# Allegro board RK_NVR_DEMO1_RK3588_LP4XD200P232SD8_V21_20211228_final_lint.brd (continued)
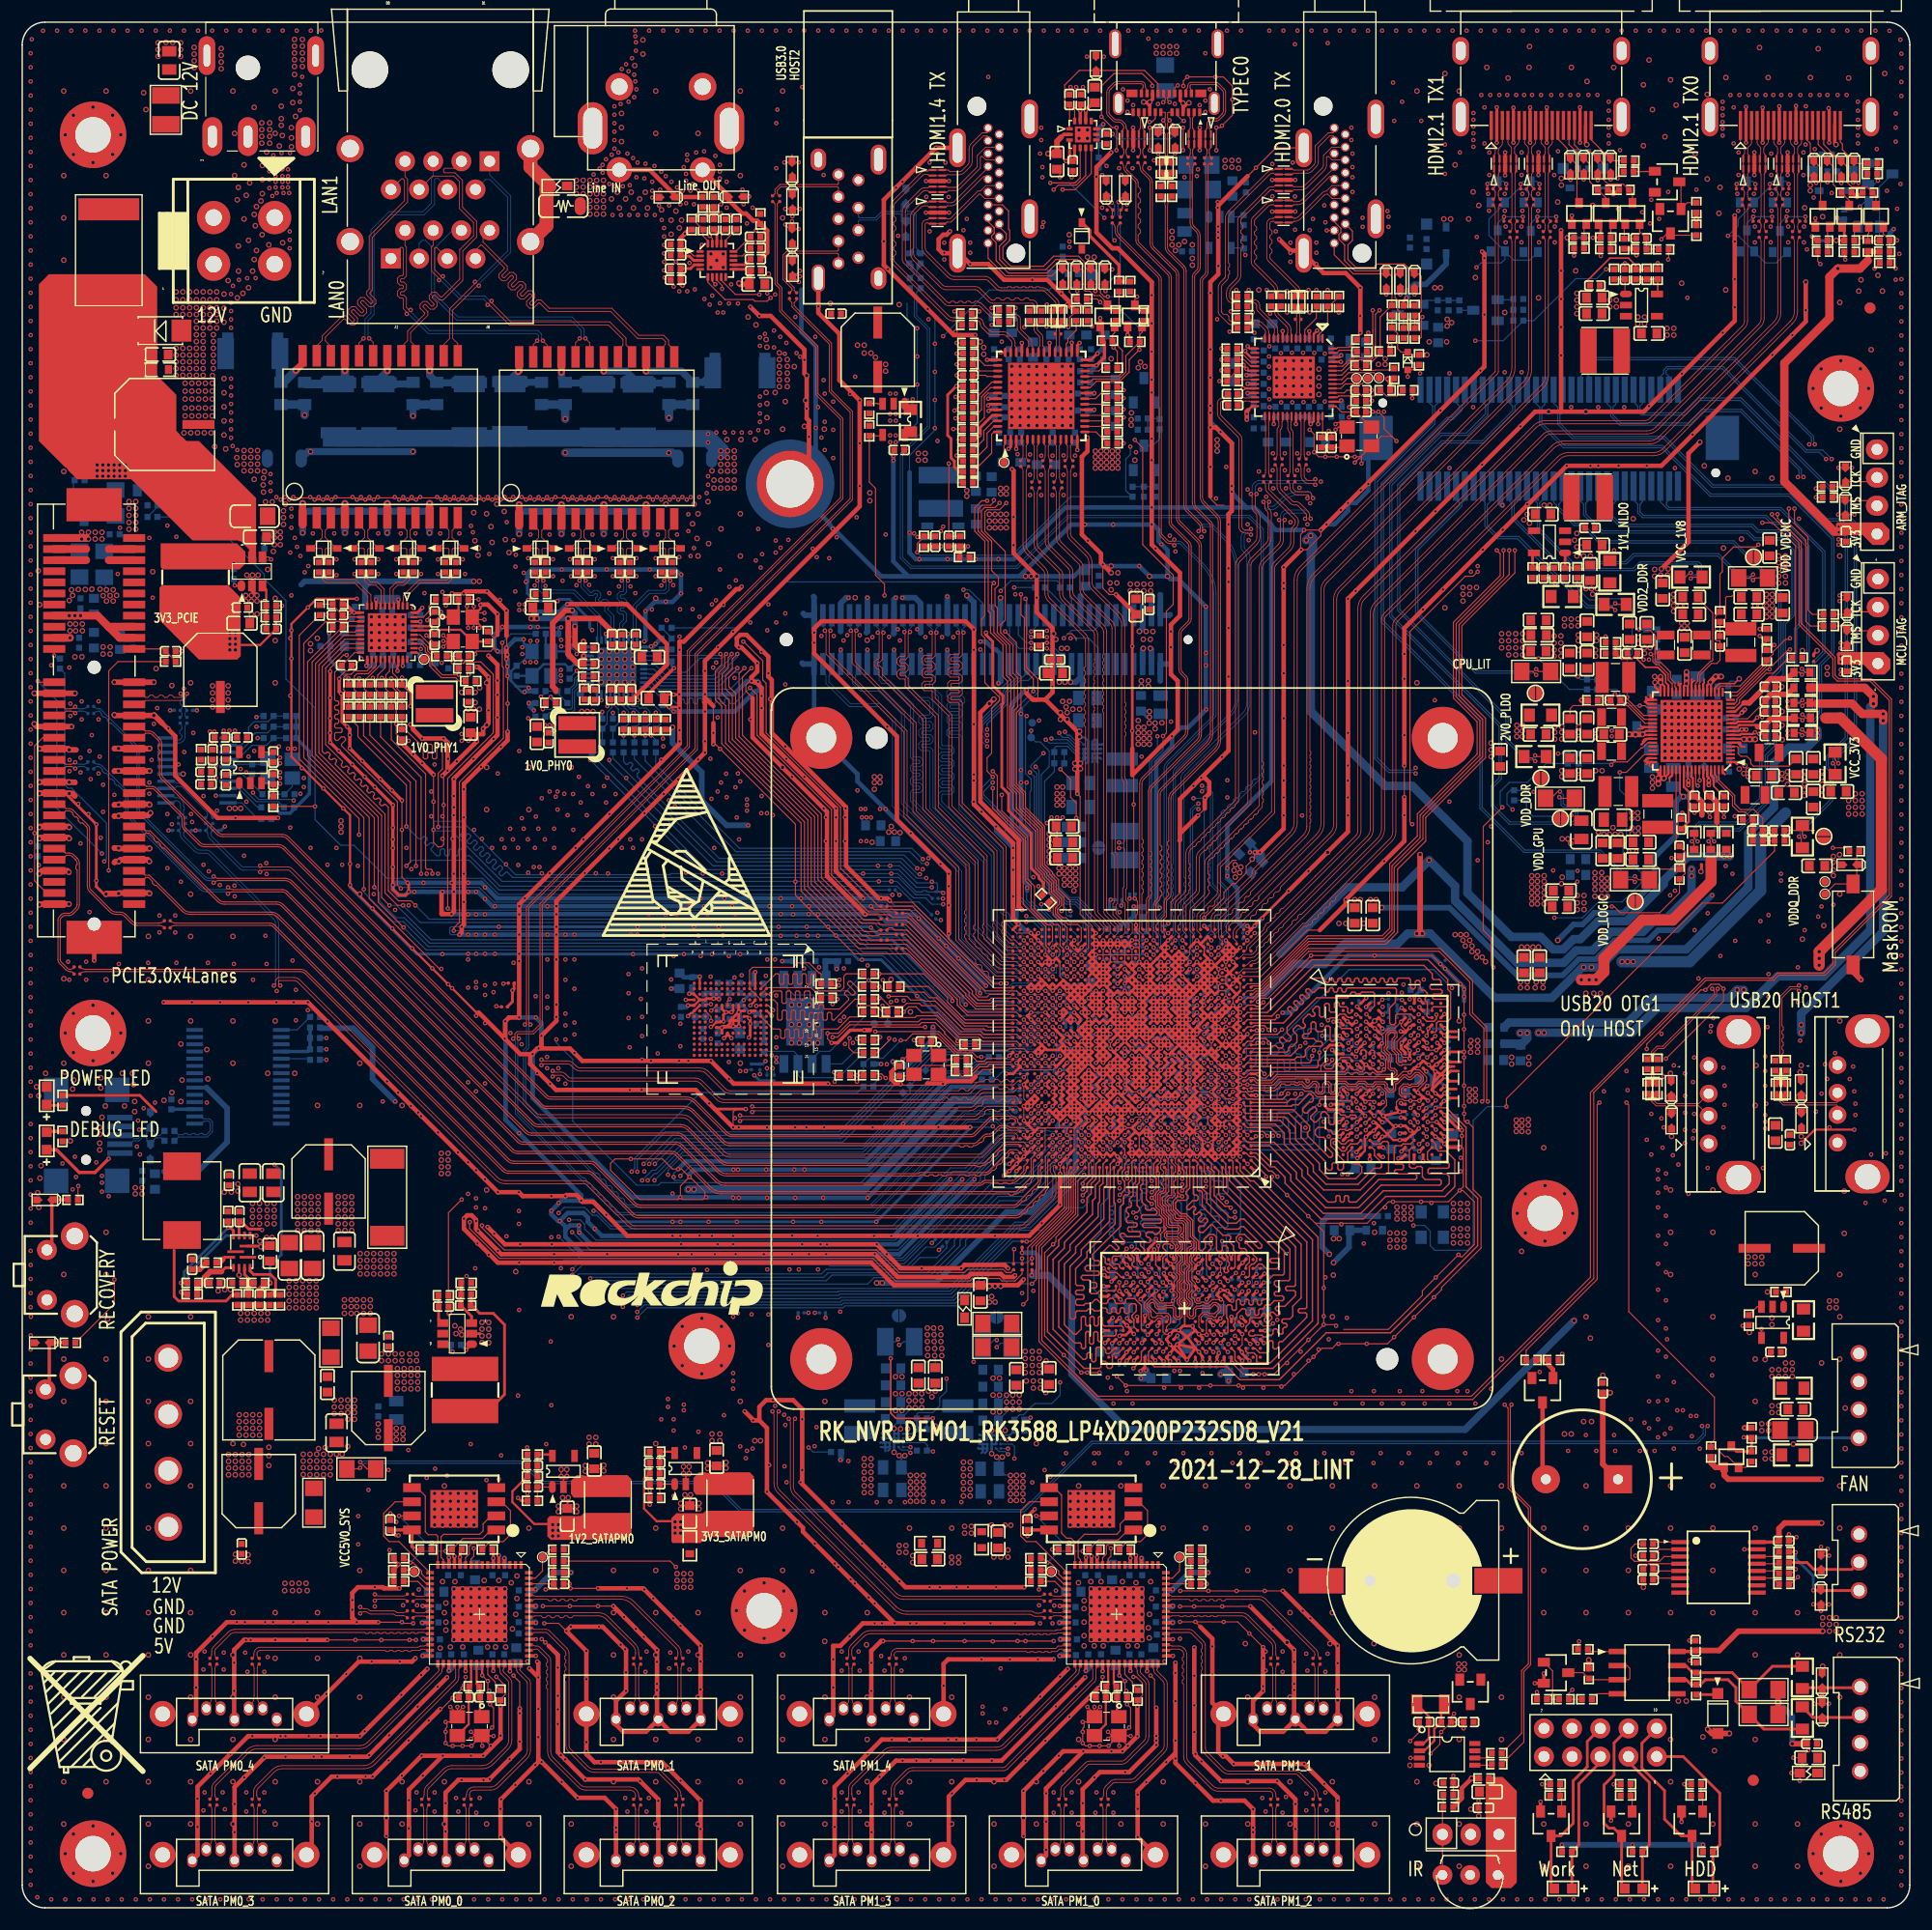
[diagram p0: board, top side]
## Routing (per net, layer and track width the routed paths; a pad name or vN(x,y) marks a point on that pad's centre or on a via; arc(x,y) is an arc through that point) (continued)
  L6-S2 w0.089: v1(94.15,84.61) 94.09,84.61 93.46,85.25 93.46,86.76 93.45,86.77 93.45,87.72
  L6-S2 w0.102: 93.45,87.72 84.88,96.28 77.77,96.28 77.13,96.93 69.93,96.93 67.54,94.53 21,94.53 20.29,93.82 18.26,93.82 17.55,94.53 12.27,94.53 11.25,93.51 v1(7.8,93.51)
PCIE30X4_PRSNT_3V3_L: length 17.8
  TOP w0.102: J8400.B17 1.85,105.48 1.11,104.74 v1(1.11,96.87) 1.11,92.58 2.21,91.48 J8400.B31
  BOTTOM w0.102: R8403.2 1.11,95.97 v1(1.11,96.87)
PCIE30X4_PRSNT_L_GPIO3_C7: length 105.9
  TOP w0.102: U1000.AJ24 v1(95.45,84.61)
  L6-S2 w0.089: v1(95.45,84.61) 95.23,84.61 95.11,84.74 94.91,84.94 94.6,84.94 94.47,85.07 94.47,85.49 94.37,85.59 94.03,85.59 93.84,85.78 93.84,88.12 94.14,88.42 94.14,88.96
  L6-S2 w0.102: 94.14,88.96 94.05,89.04 94.05,89.96 93.65,90.37 92.33,90.37 91.92,89.96 91.72,89.96 85.19,96.49 77.98,96.49 77.19,97.27 69.77,97.27 67.31,94.81 20.88,94.81 20.19,94.12 18.34,94.12 17.65,94.81 8.48,94.81 7.59,93.92 1.57,93.92 v1(1.5,94)
  BOTTOM w0.102: R8403.1 1.39,94.1 v1(1.5,94)
PCIE30X4_PWREN_H_GPIO3_D5: length 117.5
  TOP w0.089: U1000.AB28 93.17,80.39
  TOP w0.102: v1(26.39,99.29) R8427.1 ; 93.17,80.39 v1(92.85,80.71)
  L6-S2 w0.089: v1(92.85,80.71) 92.52,80.39 90.11,80.39 90.11,80.38 89.96,80.38 89.84,80.26 88.47,80.26
  L6-S2 w0.102: 88.47,80.26 83.84,80.26 82.35,81.75 82.35,83.53 78.53,87.34 78.53,91.18 v1(78.41,91.31)
  BOTTOM w0.102: v1(78.41,91.31) 78.36,91.35 42.93,91.35 41.48,92.8 32.87,92.8 29.88,95.79 28.68,95.79 26.39,98.09 v1(26.39,99.29) 26.39,108.15 23.77,110.77 23.77,117.84 21.81,119.8 21.81,120.22 20.86,121.17 R8429.1 20.57,121.45 16.65,125.38 R8434.1
PCIE30X4_REFCLKN_CON: length 7.6
  TOP w0.076: J8400.A14 10.77,108.48 11.12,108.83 14.32,108.83 arc(14.61,108.95) 14.73,109.25 14.73,109.33 v1(14.85,109.45)
  BOTTOM w0.076: R8405.2 14.72,107.42 arc(14.68,107.47) 14.67,107.54 14.67,107.64 arc(14.69,107.76) 14.77,107.87 R8406.1 arc(14.74,108.09) 14.7,108.28 14.7,109.09 arc(14.74,109.29) v1(14.85,109.45)
PCIE30X4_REFCLKP_CON: length 7.9
  TOP w0.076: J8400.A13 10.73,109.48 11.1,109.11 11.33,109.11 11.53,109.31 11.76,109.31 11.96,109.11 12.19,109.11 12.39,109.31 12.62,109.31 12.82,109.11 13.05,109.11 13.26,109.31 13.49,109.31 13.69,109.11 14.32,109.11 arc(14.41,109.15) 14.45,109.25 14.45,109.27 v1(14.28,109.45)
  BOTTOM w0.076: R8404.2 14.34,107.42 arc(14.38,107.47) 14.39,107.54 14.39,107.64 arc(14.37,107.76) 14.29,107.87 R8407.1 14.28,108 arc(14.38,108.16) 14.42,108.35 14.22,108.55 14.22,108.78 14.42,108.98 14.42,109.11 arc(14.39,109.29) v1(14.28,109.45)
PCIE30X4_WAKEN_3V3_L: length 1.2
  TOP w0.102: v1(2.88,112.88) 2.88,113.47 J8400.B11
  BOTTOM w0.102: v1(2.88,112.88) 3.15,112.61 R8401.2
PCIE30X4_WAKEN_M1_L: length 115.7
  TOP w0.102: U1000.AJ26 v1(94.15,85.26)
  L6-S2 w0.102: v1(7.39,94.33) 8.14,95.08 17.96,95.08 18.61,94.43 20.08,94.43 20.73,95.08 67.15,95.08 69.65,97.58 77.39,97.58 77.7,97.88 84.4,97.88 90.09,92.19 90.09,91.89 91.51,90.47 v1(91.82,90.47)
  BOTTOM w0.089: 93.02,88.96 93.34,88.64 93.34,87.55 93.77,87.11 93.77,85.64 v1(94.15,85.26)
  BOTTOM w0.102: R8401.1 3.83,111.28 3.83,101.24 4.14,100.93 4.44,100.93 7.59,97.78 7.59,94.53 v1(7.39,94.33) ; 93.02,88.96 91.82,90.16 v1(91.82,90.47)
PHY0_CLKOUT125: length 3.2
  BOTTOM w0.102: R6714.2 49.76,110.3 49.76,110.79 50.62,111.65 U6701.35
PHY0_LED0/CFG_EXT: length 1.8
  TOP w0.102: R6716.1 50.59,110.99 v1(50.59,110.45) 50.64,110.41 R6717.2
  BOTTOM w0.102: U6701.32 v1(50.59,110.45)
PHY0_LED1/CFG_LDO0: length 6.8
  BOTTOM w0.102: U6701.33 50.44,110.85 50.16,110.58 50.16,110.05 49.76,109.65 49.76,107.97 49.53,107.74 47.49,107.74 R6720.1
PHY0_LED2/CFG_LDO1: length 8.2
  TOP w0.102: R6719.2 47.17,108.32 46.91,108.06 v1(46.91,108.05)
  BOTTOM w0.102: R6718.1 47.15,108.29 v1(46.91,108.05) 49.44,108.05 49.56,108.18 49.56,109.8 49.96,110.2 49.96,110.68 50.54,111.25 U6701.34
PHY0_MDI0+: length 10.2
  TOP w0.076: R6700.1 46.53,120.08 46.53,119.77 v1(46.41,119.64)
  BOTTOM w0.076: U6701.1 51.79,114.59 51.84,114.64 51.84,116.32 49.65,118.51 46.82,118.51 46.53,118.8 46.53,119.52 v1(46.41,119.64)
PHY0_MDI0-: length 10.3
  TOP w0.076: v1(46.96,119.64) 46.81,119.79 46.81,120.06 R6701.1
  BOTTOM w0.076: U6701.2 52.19,114.59 52.12,114.67 52.12,116.44 49.77,118.79 46.94,118.79 46.81,118.91 46.81,119.49 v1(46.96,119.64)
PHY0_MDI1+: length 9.1
  TOP w0.076: R6703.1 50.34,120.08 50.34,119.77 v1(50.22,119.64)
  BOTTOM w0.076: U6701.4 53.04,114.3 53.04,116.35 52.48,116.91 52.48,117.25 52.67,117.43 52.67,117.54 52.56,117.65 52.45,117.65 52.27,117.47 51.93,117.47 51.66,117.74 51.66,118.08 51.84,118.26 51.84,118.37 51.73,118.48 51.62,118.48 51.44,118.29 51.1,118.29 50.34,119.05 50.34,119.52 v1(50.22,119.64)
PHY0_MDI1-: length 9.1
  TOP w0.076: R6704.1 50.62,120.06 50.62,119.79 v1(50.77,119.64)
  BOTTOM w0.076: U6701.5 53.32,114.33 53.32,116.47 52.76,117.03 52.76,117.13 52.95,117.32 52.95,117.66 52.67,117.93 52.33,117.93 52.15,117.74 52.04,117.74 51.94,117.85 51.94,117.96 52.12,118.14 52.12,118.48 51.85,118.75 51.51,118.75 51.32,118.57 51.22,118.57 50.62,119.17 50.62,119.49 v1(50.77,119.64)
PHY0_MDI2+: length 8
  TOP w0.076: v1(54.03,119.64) 54.15,119.77 54.15,120.08 R6705.1
  BOTTOM w0.076: v1(54.03,119.64) 54.18,119.49 54.18,118.72 54.1,118.64 53.86,118.64 53.62,118.4 53.62,118.02 53.86,117.78 54.1,117.78 54.18,117.7 54.18,117.55 54.1,117.47 53.86,117.47 53.62,117.23 53.62,116.85 53.86,116.61 54.1,116.61 54.18,116.53 54.18,116.11 53.84,115.77 53.84,114.3 U6701.6
PHY0_MDI2-: length 8
  TOP w0.076: v1(54.58,119.64) 54.43,119.79 54.43,120.06 R6706.1
  BOTTOM w0.076: U6701.7 54.12,114.33 54.12,115.66 54.46,115.99 54.46,116.65 54.22,116.89 53.97,116.89 53.9,116.97 53.9,117.12 53.97,117.19 54.22,117.19 54.46,117.43 54.46,117.82 54.22,118.06 53.97,118.06 53.9,118.13 53.9,118.29 53.97,118.36 54.22,118.36 54.46,118.6 54.46,119.52 v1(54.58,119.64)
PHY0_MDI3+: length 8.5
  TOP w0.076: v1(57.84,119.64) 57.96,119.76 57.96,120.09 R6707.1
  BOTTOM w0.076: U6701.9 55.04,114.3 55.04,117.38 56.42,118.76 57.84,118.76 58.01,118.93 58.01,119.46 v1(57.84,119.64)
PHY0_MDI3-: length 8.5
  TOP w0.076: v1(58.39,119.64) 58.24,119.79 58.24,120.06 R6708.1
  BOTTOM w0.076: U6701.10 55.32,114.33 55.32,117.26 56.54,118.48 57.96,118.48 58.29,118.81 58.29,119.54 v1(58.39,119.64)
PHY0_MDI_0+: length 5.7
  TOP w0.076: R6700.2 46.56,121.62 46.56,122.44 46.46,122.54 45.56,122.54 46.53,123.51 46.53,124.17 46.05,124.66 U6700.2
  TOP w0.097: ED6703.2 45.56,122.54
PHY0_MDI_0-: length 5.7
  TOP w0.076: ED6703.1 47.8,122.54 ; 47.8,122.54 46.91,122.54 46.84,122.47 46.84,121.59 R6701.2 ; 47.8,122.54 46.81,123.53 46.81,124.15 47.32,124.66 U6700.3
PHY0_MDI_1+: length 5.6
  TOP w0.076: U6700.5 49.86,124.66 50.34,124.17 50.34,123.51 49.37,122.54 ; 49.37,122.54 ED6702.2 ; 49.37,122.54 50.27,122.54 50.34,122.47 50.34,121.6 R6703.2
PHY0_MDI_1-: length 5.7
  TOP w0.076: 51.61,122.54 ED6702.1 ; 51.61,122.54 50.71,122.54 50.62,122.45 50.62,121.62 R6704.2 ; 51.61,122.54 50.62,123.53 50.62,124.15 51.13,124.66 U6700.6
PHY0_MDI_2+: length 5.7
  TOP w0.076: 53.18,122.54 54.08,122.54 54.15,122.47 54.15,121.6 R6705.2 ; 53.18,122.54 54.18,123.54 54.18,124.15 53.68,124.65 U6700.8 ; 53.18,122.54 ED6701.2
PHY0_MDI_2-: length 5.7
  TOP w0.076: 55.42,122.54 54.46,123.51 54.46,124.18 54.95,124.67 U6700.9 ; 55.42,122.54 54.52,122.54 54.43,122.45 54.43,121.62 R6706.2 ; 55.42,122.54 ED6701.1
PHY0_MDI_3+: length 5.6
  TOP w0.076: ED6700.2 56.99,122.54 ; 56.99,122.54 57.96,123.51 57.96,124.17 57.49,124.65 U6700.11 ; 56.99,122.54 57.89,122.54 57.96,122.47 57.96,121.6 R6707.2
PHY0_MDI_3-: length 5.7
  TOP w0.076: U6700.12 58.75,124.66 58.24,124.15 58.24,123.53 59.23,122.54 ; R6708.2 58.24,121.62 58.24,122.45 58.33,122.54 59.23,122.54 ; 59.23,122.54 ED6700.1
PHY0_REG_OUT:
  vias: v2(50.42,107.84) v2(50.92,107.84) v2(51.43,107.84)
PHY0_RSTN: length 4.4
  BOTTOM w0.102: R6736.2 58.51,114.48 R6734.2 58.51,114.33 C6718.1 57.43,113.25 U6701.12
PHY0_RXCLK/PHYAD1: length 4.8
  BOTTOM w0.102: U6701.27 52.99,109.06 53.11,108.94 53.11,108.17 52.7,107.76 52.7,106.73 R6724.1 R6741.1
PHY0_RXD0/RXDLY: length 5.5
  TOP w0.102: R6727.2 v1(54.19,105.68)
  BOTTOM w0.102: U6701.25 53.79,108.68 54.63,107.84 54.63,106.73 R6726.1 v1(54.19,105.68) R6737.1
PHY0_RXD1/TXDLY: length 5.9
  TOP w0.102: R6729.2 v1(55.16,105.68)
  BOTTOM w0.102: U6701.24 54.19,108.69 54.79,108.09 55.21,108.09 55.59,107.72 55.59,106.72 R6728.1 v1(55.16,105.68) R6738.1
PHY0_RXD2/PLLOFF: length 6.6
  TOP w0.102: R6732.2 v1(56.12,105.68)
  BOTTOM w0.102: U6701.23 54.59,108.69 54.97,108.31 55.48,108.31 55.65,108.15 56.23,108.15 56.56,107.82 56.56,106.73 R6731.1 v1(56.12,105.68) R6739.1
PHY0_RXD3/PHYAD0: length 7.7
  TOP w0.102: v1(56.67,105.68) 56.67,105.71 57.08,106.12 R6723.2
  BOTTOM w0.102: R6740.1 57.09,105.28 56.69,105.68 v1(56.67,105.68) 56.67,105.71 57.09,106.13 R6722.1 57.52,106.72 57.52,107.83 56.83,108.52 55.18,108.52 54.99,108.7 U6701.22
PHY0_RXDV/PHYAD2: length 4.7
  BOTTOM w0.102: U6701.26 53.41,109.43 53.41,108.35 53.72,108.04 53.72,106.78 R6725.1 R6742.1
PHY0_XTALIN: length 7.4
  BOTTOM w0.203: R6702.1 Y6700.3 46.99,112.11 48.91,112.11 C6701.1 49.67,112.05 U6701.36
PHY0_XTALOUT: length 5.7
  BOTTOM w0.203: R6709.2 47.17,113.71 Y6700.1 48.88,113.25 C6700.1 49.72,112.41 50.77,112.41 50.81,112.45 U6701.37
PHY1_CLKOUT125: length 3.1
  TOP w0.102: U6801.35 35.86,114.75 36.73,113.89 36.73,113.45 R6814.2
PHY1_LED0/CFG_EXT: length 1.9
  TOP w0.102: U6801.32 35.84,113.55 v1(35.91,113.48)
  BOTTOM w0.102: R6817.2 35.85,113.41 v1(35.91,113.48) 35.9,113.5 R6816.1
PHY1_LED1/CFG_LDO0: length 6.8
  TOP w0.102: R6820.1 39.34,110.58 39.04,110.89 37.77,110.89 36.72,111.94 36.72,112.83 36.32,113.23 36.32,113.58 35.95,113.95 U6801.33
PHY1_LED2/CFG_LDO1: length 7.2
  TOP w0.102: U6801.34 35.85,114.35 36.52,113.68 36.52,113.32 36.92,112.92 36.92,112.13 37.35,111.7 37.35,111.64 37.84,111.14 39.2,111.14 39.23,111.18 v1(39.33,111.18) R6818.1
  BOTTOM w0.102: v1(39.33,111.18) 39.33,111.28 39.31,111.3 R6819.2
PHY1_MDI0+: length 6.4
  TOP w0.076: U6801.1 34.69,117.72 34.62,117.79 34.62,118.18 35.85,119.42 38.37,119.42 38.73,119.78 38.73,120.06 R6808.1
PHY1_MDI0-: length 6.4
  TOP w0.076: R6807.1 38.45,120.09 38.45,119.89 38.26,119.7 35.74,119.7 34.34,118.3 34.34,117.76 34.29,117.72 U6801.2
PHY1_MDI1+: length 4.2
  TOP w0.076: U6801.4 33.49,117.72 33.42,117.79 33.42,118.82 33.82,119.22 34.41,119.22 34.92,119.73 34.92,120.06 R6806.1
PHY1_MDI1-: length 4.2
  TOP w0.076: R6805.1 34.64,120.09 34.64,119.84 34.3,119.5 33.7,119.5 33.14,118.94 33.14,117.77 33.09,117.72 U6801.5
PHY1_MDI2+: length 4.2
  TOP w0.076: R6804.1 31.14,120.09 31.14,119.74 31.38,119.5 31.99,119.5 32.62,118.87 32.62,117.79 32.69,117.72 U6801.6
PHY1_MDI2-: length 4.2
  TOP w0.076: R6803.1 30.86,120.06 30.86,119.62 31.26,119.22 31.87,119.22 32.34,118.75 32.34,117.77 32.29,117.72 U6801.7
PHY1_MDI3+: length 6.4
  TOP w0.076: U6801.9 31.49,117.72 31.42,117.79 31.42,118.35 30.02,119.76 27.44,119.76 27.33,119.86 27.33,120.09 R6801.1
PHY1_MDI3-: length 6.4
  TOP w0.076: R6800.1 27.05,120.06 27.05,119.75 27.32,119.48 29.9,119.48 31.14,118.24 31.14,117.77 31.09,117.72 U6801.10
PHY1_MDI_0+: length 5.8
  TOP w0.076: R6808.2 38.74,121.62 38.74,122.45 38.83,122.54 39.72,122.54 38.73,123.53 38.73,124.15 39.24,124.66 U6800.12
  TOP w0.097: ED6803.2 39.72,122.54
PHY1_MDI_0-: length 5.7
  TOP w0.076: U6800.11 37.98,124.65 38.45,124.17 38.45,123.51 37.49,122.54 38.38,122.54 38.46,122.47 38.46,121.6 R6807.2
  TOP w0.097: ED6803.1 37.49,122.54
PHY1_MDI_1+: length 5.8
  TOP w0.076: U6800.9 35.44,124.67 34.95,124.18 34.95,123.51 35.91,122.54 35.02,122.54 34.93,122.45 34.93,121.62 R6806.2
  TOP w0.097: 35.91,122.54 ED6802.2
PHY1_MDI_1-: length 5.8
  TOP w0.076: U6800.8 34.17,124.65 34.67,124.15 34.67,123.54 33.68,122.54 34.57,122.54 34.65,122.47 34.65,121.6 R6805.2
  TOP w0.097: ED6802.1 33.68,122.54
PHY1_MDI_2+: length 5.8
  TOP w0.076: U6800.6 31.62,124.66 31.14,124.18 31.14,123.51 32.1,122.54 31.21,122.54 31.12,122.45 31.12,121.62 R6804.2
  TOP w0.097: 32.1,122.54 ED6801.2
PHY1_MDI_2-: length 5.8
  TOP w0.076: R6803.2 30.84,121.6 30.84,122.47 30.76,122.54 29.87,122.54 30.86,123.53 30.86,124.15 30.35,124.66 U6800.5
  TOP w0.097: 29.87,122.54 ED6801.1
PHY1_MDI_3+: length 5.8
  TOP w0.076: U6800.3 27.81,124.66 27.3,124.15 27.3,123.53 28.29,122.54 27.4,122.54 27.31,122.45 27.31,121.62 R6801.2
  TOP w0.097: 28.29,122.54 ED6800.2
PHY1_MDI_3-: length 5.7
  TOP w0.076: R6800.2 27.03,121.6 27.03,122.47 26.95,122.54 26.06,122.54 27.02,123.51 27.02,124.17 26.54,124.66 U6800.2
  TOP w0.097: 26.06,122.54 ED6800.1
PHY1_RSTN: length 4.3
  TOP w0.102: R6836.2 26.88,117.52 R6834.2 27.97,117.43 C6817.1 29.05,116.35 U6801.12
PHY1_RXCLK/PHYAD1: length 5.2
  TOP w0.102: R6841.1 v1(34.22,108.81) R6823.1 34.22,109.45 33.78,109.9 33.78,110.91 33.37,111.32 33.37,112.04 33.49,112.16 U6801.27
  BOTTOM w0.102: v1(34.22,108.81) 34.18,108.85 R6824.2
PHY1_RXD0/RXDLY: length 5.4
  TOP w0.102: R6837.1 v1(32.29,108.81) R6826.1 31.85,109.81 31.85,110.61 32.03,110.79 32.03,111.12 32.69,111.78 U6801.25
  BOTTOM w0.102: v1(32.29,108.81) R6827.2
PHY1_RXD1/TXDLY: length 5.6
  TOP w0.102: R6838.1 v1(31.33,108.81) R6828.1 30.83,109.86 30.83,110.61 32.29,112.07 U6801.24
  BOTTOM w0.102: v1(31.33,108.81) R6829.2
PHY1_RXD2/PLLOFF: length 6.4
  TOP w0.102: R6839.1 v1(30.36,108.81) R6831.1 29.92,109.81 29.92,111.02 30.15,111.24 31.16,111.24 31.89,111.97 U6801.23
  BOTTOM w0.102: v1(30.36,108.81) R6832.2
PHY1_RXD3/PHYAD0: length 6.4
  TOP w0.102: R6840.1 R6822.2 28.97,109.79 28.97,110.9 29.26,111.19 29.64,111.19 29.94,111.5 31.06,111.5 31.49,111.93 U6801.22
PHY1_RXDV/PHYAD2: length 4.6
  TOP w0.102: R6842.1 R6825.1 32.76,109.86 32.76,111.14 33.09,111.47 U6801.26
PHY1_XTALIN: length 7.4
  TOP w0.203: U6801.36 36.81,115.15 C6800.1 37.58,115.21 39.5,115.21 Y6800.3 R6802.1
PHY1_XTALOUT: length 5.7
  TOP w0.203: R6809.2 39.31,116.81 Y6800.1 37.6,116.35 C6801.1 36.77,115.52 35.7,115.52 35.67,115.55 U6801.37
PI6C_05_CLK0N: length 3.4
  BOTTOM w0.076: R8405.1 14.83,106.79 arc(14.71,106.62) 14.67,106.42 14.67,105.58 arc(14.63,105.37) 14.51,105.19 14.47,105.15 arc(14.3,105.03) 14.09,104.99 13.92,104.99 13.74,104.81 U8400.19
PI6C_05_CLK0P: length 3.1
  BOTTOM w0.076: R8404.1 14.23,106.79 arc(14.35,106.62) 14.39,106.42 14.39,106.28 14.19,106.07 14.19,105.87 14.39,105.67 14.39,105.58 arc(14.37,105.47) 14.31,105.39 14.27,105.34 arc(14.19,105.29) 14.09,105.27 13.92,105.27 13.74,105.46 U8400.20
PI6C_05_CLK2N: length 5.3
  BOTTOM w0.076: U8400.13 13.74,100.91 13.92,101.09 14.26,101.09 arc(14.33,101.08) 14.4,101.03 16.63,98.8 arc(16.69,98.71) 16.71,98.61 arc(16.68,98.45) 16.59,98.31 R8416.1
PI6C_05_CLK2P: length 5.8
  BOTTOM w0.076: U8400.14 13.74,101.56 13.92,101.37 14.26,101.37 arc(14.44,101.33) 14.6,101.23 16.83,99 arc(16.95,98.82) 16.99,98.61 arc(17.02,98.45) 17.11,98.31 R8415.1
PI6C_05_CLK3N: length 2.8
  BOTTOM w0.076: U8400.11 13.58,99.61 13.77,99.79 13.93,99.79 arc(14.02,99.77) 14.1,99.72 14.2,99.62 arc(14.24,99.56) 14.26,99.49 14.26,98.69 arc(14.21,98.46) R8424.1
PI6C_05_CLK3P: length 3.3
  BOTTOM w0.076: U8400.12 13.55,100.26 13.74,100.07 13.93,100.07 arc(14.13,100.03) 14.3,99.92 14.4,99.82 arc(14.5,99.67) 14.54,99.49 14.54,99.31 14.6,99.24 14.6,99 14.54,98.93 14.54,98.69 arc(14.58,98.46) R8423.1
PI6C_05_OE: length 3.7
  BOTTOM w0.102: U8400.8 19.5,100.91 21.21,99.2 R8417.2
PI6C_05_PDN: length 6
  BOTTOM w0.102: R8420.2 23.07,99.71 21.11,99.71 19.26,101.56 U8400.7
PI6C_05_S0: length 6.9
  BOTTOM w0.102: U8400.2 19.7,104.81 20.39,105.5 20.39,106.42 20.9,106.93 22.14,106.93 R8411.1 R8410.2
PI6C_05_S1: length 6.4
  BOTTOM w0.102: U8400.3 19.56,104.16 20.7,105.3 20.7,105.61 21,105.91 22.09,105.91 R8413.1 R8412.2
PI6C_05_S2: length 6
  BOTTOM w0.102: R8408.2 R8409.1 22,104.79 20.7,104.79 19.41,103.51 U8400.4
PMIC1_FB6: length 7.1
  TOP w0.102: v1(146.73,113.02) 146.92,112.83 146.92,112.34 147.21,112.06 147.47,112.06 148.31,111.22 148.31,110.69 148.67,110.32 U2100.31
  BOTTOM w0.152: v1(146.73,113.02) 147.08,113.02 R2101.1 R2103.2 C2101.2
PMIC1_FB9: length 8.2
  TOP w0.102: U2100.66 152.52,102.1 152.67,101.96 152.67,101.59 153.55,100.71 153.57,100.71 154.1,100.18 154.1,99.35 154.65,98.8 155.22,98.8 R2126.1 C2137.2 R2125.2
PMIC1_SW1: length 3.3
  TOP w0.152: 146.3,103.04 146.55,103.28 ; 146.44,103.63 146.39,103.63 146.3,103.55 ; 146.61,102.94 146.61,103.13 146.76,103.28 ; 146.3,103.34 146.59,103.63
  TOP w0.203: 146.3,103.34 146.36,103.28 U2100.51 146.92,102.95 146.81,102.84 ; U2100.50 146.44,103.63 146.17,103.37
PMIC1_SW2: length 3.1
  TOP w0.152: 146.46,108.88 146.3,108.73 ; 146.92,109.3 146.92,109.33 146.91,109.34
  TOP w0.203: U2100.35 146.92,109.3 146.99,109.36 ; U2100.35 146.55,108.88 ; U2100.35 146.71,109.1 146.71,109.34 ; U2100.36 146.45,108.53 146.25,108.73 146.2,108.73 ; 146.55,108.88 146.35,108.88 146.3,108.93 ; 146.55,108.88 146.3,109.14
PMIC1_SW3: length 1.6
  TOP w0.152: 148.67,102.06 148.44,101.82 ; 148.44,101.82 148.44,101.52 ; 148.44,101.82 148.44,101.92 148.67,102.16
  TOP w0.203: 148.67,102.06 U2100.55
PMIC1_SW4: length 1.2
  TOP w0.152: 151.56,110.74 151.55,110.72 151.55,110.43 151.47,110.36 151.47,110.28
  TOP w0.203: U2100.23 151.47,110.28
PMIC1_SW5: length 1.7
  TOP w0.152: 146.41,105.38 146.21,105.38 146,105.17
  TOP w0.203: U2100.45 146.41,105.38 145.9,104.87
PMIC1_SW6: length 1.3
  TOP w0.152: 149.22,110.48 149.22,110.22 149.37,110.08
  TOP w0.203: 149.37,110.23 149.37,110.27 149.45,110.36 ; 149.37,110.23 149.32,110.28 ; 149.37,110.23 U2100.29
PMIC1_SW7: length 1.8
  TOP w0.152: 145.59,106.29 146,106.29 146.14,106.43 ; 145.96,106.43 145.79,106.6
  TOP w0.203: U2100.42 145.96,106.43
PMIC1_SW8: length 1.8
  TOP w0.152: 155.24,104.67 154.94,104.67
  TOP w0.203: 154.57,105.03 154.77,105.03 154.84,104.97 ; 154.57,105.03 154.94,104.67 ; 154.57,105.03 U2100.6
PMIC1_SW9: length 0.8
  TOP w0.203: 153.52,102.53 153.46,102.58 U2100.68 153.22,102.37 153.41,102.18
PMIC1_SW10: length 1.6
  TOP w0.152: 150.47,110.76 150.42,110.71 150.42,110.41 150.67,110.66
  TOP w0.203: 150.42,110.41 U2100.26
PMIC_EXT_EN_OUT: length 189.6
  TOP w0.102: U2100.39 146.1,107.48 144.61,108.97 v1(144.61,109.14) ; v1(39.6,63.85) 38.41,62.66 R2021.1 ; v1(140.18,119.32) 140.13,119.37 R2011.1
  L4-S1 w0.102: v1(39.6,63.85) 39.7,63.95 39.7,85.79 38.48,87.01 38.48,88.43 39.39,89.35 39.39,93.51 44.78,98.9 44.78,100.12 46.3,101.64 49.45,101.64 49.65,101.44 50.26,101.44 51.18,102.35 54.73,102.35 57.73,105.35 v1(57.73,105.4)
  L6-S2 w0.102: v1(57.73,105.4) 57.78,105.4 58.09,105.71 60.32,105.71 62.05,107.43 62.05,108.13 65.12,111.19 66.13,111.19 67.33,112.4 67.33,114.43 72.53,119.63 85.52,119.63 88.57,116.58 96.7,116.58 97.71,115.56 97.71,111.09 99.24,109.57 104.82,109.57 111.63,116.37 135.3,116.37 137.23,114.44 137.23,113.02 139.67,110.58 143.16,110.58 v1(144.61,109.14)
  BOTTOM w0.102: v1(144.61,109.14) 144.61,112.57 145.06,113.02 145.06,116.98 144.04,118 141.91,118 141.81,117.9 141.2,117.9 140.18,118.91 v1(140.18,119.32)
PMIC_INT_L: length 201.8
  TOP w0.089: U1000.M30 v1(91.55,73.56)
  TOP w0.102: U2100.19 152.87,109.95 153.06,110.14 154.77,110.14 156.74,112.11 156.74,113.73 157.2,114.19 R2137.2 156.81,114.38 156.56,114.62 v1(156.56,114.65)
  L4-S1 w0.102: v1(75.21,74.47) 74.51,73.77 74.51,54.54 v1(73.71,53.74) ; v1(156.56,114.65) 157.05,114.17 157.05,113.43 157.86,112.62 157.86,108.96 158.16,108.65 158.16,103.98 157.45,103.27 157.45,99.41 156.03,97.99 156.03,82.57 155.19,81.73 151.84,81.73 149.22,79.11 149.22,69.23 146.78,66.79 146.78,45.86 v1(146.58,45.66)
  L6-S2 w0.089: v1(91.55,73.56) 91.55,73.33 91.26,73.05 89.67,73.05 89.62,72.99 88.47,72.99
  L6-S2 w0.102: v1(146.58,45.66) 146.28,45.97 132.87,45.97 132.76,45.86 97.81,45.86 96.31,47.36 96.31,48.94 91.36,53.89 73.89,53.89 73.73,53.74 v1(73.71,53.74) ; v1(75.21,74.47) 75.35,74.62 76.2,74.62 76.76,75.18 77.93,75.18 78.48,74.62 80.03,74.62 81.66,72.99 88.47,72.99
PMIC_PWR_CTRL1: length 215.3
  TOP w0.102: v1(151.14,101.62) 151.12,101.64 U2100.62
  L4-S1 w0.102: v1(146.28,41.19) 145.77,41.7 145.77,71.37 146.48,72.08 146.48,76.34 148.61,78.48 148.61,80.1 149.93,81.42 149.93,96.77 151.46,98.29 151.46,101.3 v1(151.14,101.62) ; v1(56.36,65.57) 56.87,65.07 56.87,56.13 56.97,56.02 56.97,47.9 58.7,46.17 58.7,45.66 v1(58.19,45.15)
  L6-S2 w0.102: v1(146.28,41.19) 145.57,40.48 136.62,40.48 135.61,39.46 95.25,39.46 93.44,37.66 93.44,35.91 92.12,34.59 89.97,34.59 89.41,35.15 70.96,35.15 67.38,38.73 66.14,38.73 63.98,40.89 63.98,43.02 62.66,44.34 59.21,44.34 58.39,45.15 v1(58.19,45.15)
  BOTTOM w0.102: R1103.2 83.28,75.94 75.77,68.42 59.41,68.42 57.17,66.18 56.97,66.18 v1(56.36,65.57)
PMIC_PWR_CTRL2: length 208.7
  TOP w0.102: U2100.61 150.77,102.05 150.79,102.03 150.79,101.33 v1(150.97,101.15)
  L4-S1 w0.102: v1(145.77,41.19) 145.77,41.39 145.51,41.65 145.51,71.54 146.17,72.2 146.17,76.43 148.31,78.56 148.31,80.1 149.73,81.53 149.73,96.97 151.15,98.39 151.15,100.96 v1(150.97,101.15) ; v1(63.23,44.4) 61.57,46.07 60.63,46.07 58.09,48.61 58.09,65.07 57.78,65.37 57.78,66.29 v1(57.01,67.06)
  L6-S2 w0.102: v1(63.23,44.4) 64.29,43.35 64.29,40.89 66.19,38.98 67.49,38.98 71.07,35.4 89.48,35.4 89.99,34.89 92.02,34.89 93.24,36.11 93.24,37.84 95.12,39.72 135.46,39.72 136.52,40.78 145.16,40.78 145.57,41.19 v1(145.77,41.19)
  BOTTOM w0.102: R1113.2 R1114.1 80,73.46 79.22,72.69 77.59,72.69 73.94,69.03 58.98,69.03 v1(57.01,67.06)
PMIC_PWR_CTRL3: length 207.4
  TOP w0.102: v1(86.41,76.7) 86.03,76.7 85.65,77.08 84.21,77.08 82.51,78.78 80.24,78.78 79.64,78.19 79.17,78.19 v1(79.16,78.2) ; v1(157.45,111.65) 157.43,111.63 157.17,111.63 154.48,108.93 154.48,108.73 154.29,108.53 U2100.16
  L4-S1 w0.102: v1(79.16,78.2) 79.16,77 78.88,76.72 78.88,75.09 74.85,71.06 74.85,57.65 76.78,55.72 76.78,48.4 74.34,45.97 74.34,44.24 v1(73.53,43.43) ; v1(157.45,111.65) 157.45,108.96 157.96,108.45 157.96,104.08 157.25,103.37 157.25,99.61 155.83,98.19 155.83,82.65 155.11,81.93 151.75,81.93 149.02,79.2 149.02,76.75 147.29,75.02 147.29,67.71 146.48,66.9 146.48,46.47 146.17,46.17 v1(146.17,43.73)
  L6-S2 w0.102: v1(73.53,43.43) 74.14,44.04 80.03,44.04 81.76,42.31 88.26,42.31 88.57,42.61 90.9,42.61 91.21,42.31 134.59,42.31 135.53,43.25 145.29,43.25 145.67,43.63 146.07,43.63 v1(146.17,43.73)
  BOTTOM w0.102: R1108.2 R1110.1 76.31,76.57 77.54,76.57 v1(79.16,78.2) ; R1109.2 v1(86.41,76.7)
PMIC_SPI_CLK: length 232.5
  TOP w0.102: v1(159.28,113.43) 159.16,113.43 157.74,112.01 157.25,112.01 154.51,109.26 154.02,109.26 153.92,109.16 U2100.17
  L4-S1 w0.102: v1(159.28,113.43) 159.79,112.92 159.79,103.88 159.48,103.57 159.48,99.68 157,97.19 157,82.19 155.57,80.76 152.23,80.76 150.19,78.73 150.19,68.77 147.75,66.33 147.75,42.87 147.9,42.71 v1(148,42.71) ; v1(65.3,41.19) 65.2,41.19 65.1,41.29 65.1,44.24 65.5,44.65 65.5,53.14 58.95,59.69 58.95,65.22 59.31,65.57 v1(59.31,65.98)
  L6-S2 w0.102: v1(65.3,41.19) 65.5,40.99 66.96,40.99 71.76,36.19 90.78,36.19 91.51,36.92 91.51,38.24 93.88,40.61 135.23,40.61 136.22,41.6 144.75,41.6 145.97,42.82 147.9,42.82 v1(148,42.71)
  BOTTOM w0.102: R1104.2 86.21,74.41 83.62,74.41 76.12,66.92 60.25,66.92 v1(59.31,65.98)
PMIC_SPI_CS: length 237.9
  TOP w0.102: U2100.18 154.52,109.58 157.2,112.26 R2134.1 157.45,112.72 157.45,112.72 157.76,113.02 157.76,113.23 158.87,114.34 159.18,114.34 v1(159.28,114.44)
  L4-S1 w0.102: v1(159.28,114.44) 159.08,114.65 157.76,114.65 157.35,114.24 157.35,113.53 158.06,112.82 158.06,112.21 159.38,110.89 159.38,104.89 157.66,103.17 157.66,99.14 156.26,97.75 156.26,82.49 155.27,81.5 151.92,81.5 149.45,79.03 149.45,69.08 147.01,66.64 147.01,41.27 v1(147.09,41.19) ; v1(58.7,44.04) 58.29,44.04 56.36,45.97 56.36,55.31 55.95,55.72 55.95,64.56 54.91,65.6 v1(54.91,66.36)
  L6-S2 w0.102: v1(147.09,41.19) 146.89,41.19 145.87,40.17 136.73,40.17 135.76,39.21 95.37,39.21 93.65,37.48 93.65,35.6 92.33,34.28 89.99,34.28 89.33,34.94 70.64,34.94 67.23,38.35 66.11,38.35 63.68,40.78 63.68,42.92 62.56,44.04 v1(58.7,44.04)
  BOTTOM w0.102: R1106.2 75.27,73.5 61.11,73.5 55.19,67.58 55.19,66.64 v1(54.91,66.36)
PMIC_SPI_MOSI: length 162.1
  TOP w0.102: v1(156.79,124.86) 157.71,124.86 159.79,122.78 159.79,113.12 159.49,112.83 R2150.1 159.36,112.56 159.05,112.56 157.78,111.29 157.15,111.29 154.73,108.88 154.73,108.63 154.29,108.18 U2100.15 ; R1107.2 v1(75.22,75.05) R1105.2
  L4-S1 w0.102: v1(75.22,75.05) 75.61,75.44 75.61,78.44 75.56,78.5 75.56,78.5 75.05,79 75.05,80.51 74.55,81.02 74.55,105.96 70.69,109.82 70.69,116.68 v1(77.8,123.79)
  L6-S2 w0.102: v1(77.8,123.79) 80.03,126.03 99.44,126.03 99.95,125.52 102.49,125.52 107.77,120.24 128.8,120.24 129.31,119.73 134.39,119.73 135.2,120.54 135.61,120.54 140.79,125.72 155.93,125.72 v1(156.79,124.86)
PMIC_VDC: length 8.7
  TOP w0.152: 148.32,110.22 148.08,110.46 148.08,111.12 147.37,111.83 146.25,111.83 145.53,112.55 C2165.1 145.02,112.56 144.08,112.56 R2140.1 R2136.2
  TOP w0.203: U2100.32 148.32,110.22
POWER_LED+: length 13
  TOP w0.254: J9001.5 142.19,13.12 140.26,11.19 140.26,5.67 R9003.2 LED9000.1
POWER_LED-: length 16.9
  TOP w0.254: J9001.6 141.02,15 141.02,12.72 139.75,11.45 139.75,7.61 138.62,6.48 Q9000.3 137.76,2.01 LED9000.2
